# KiCad board Marble.kicad_pcb (continued)
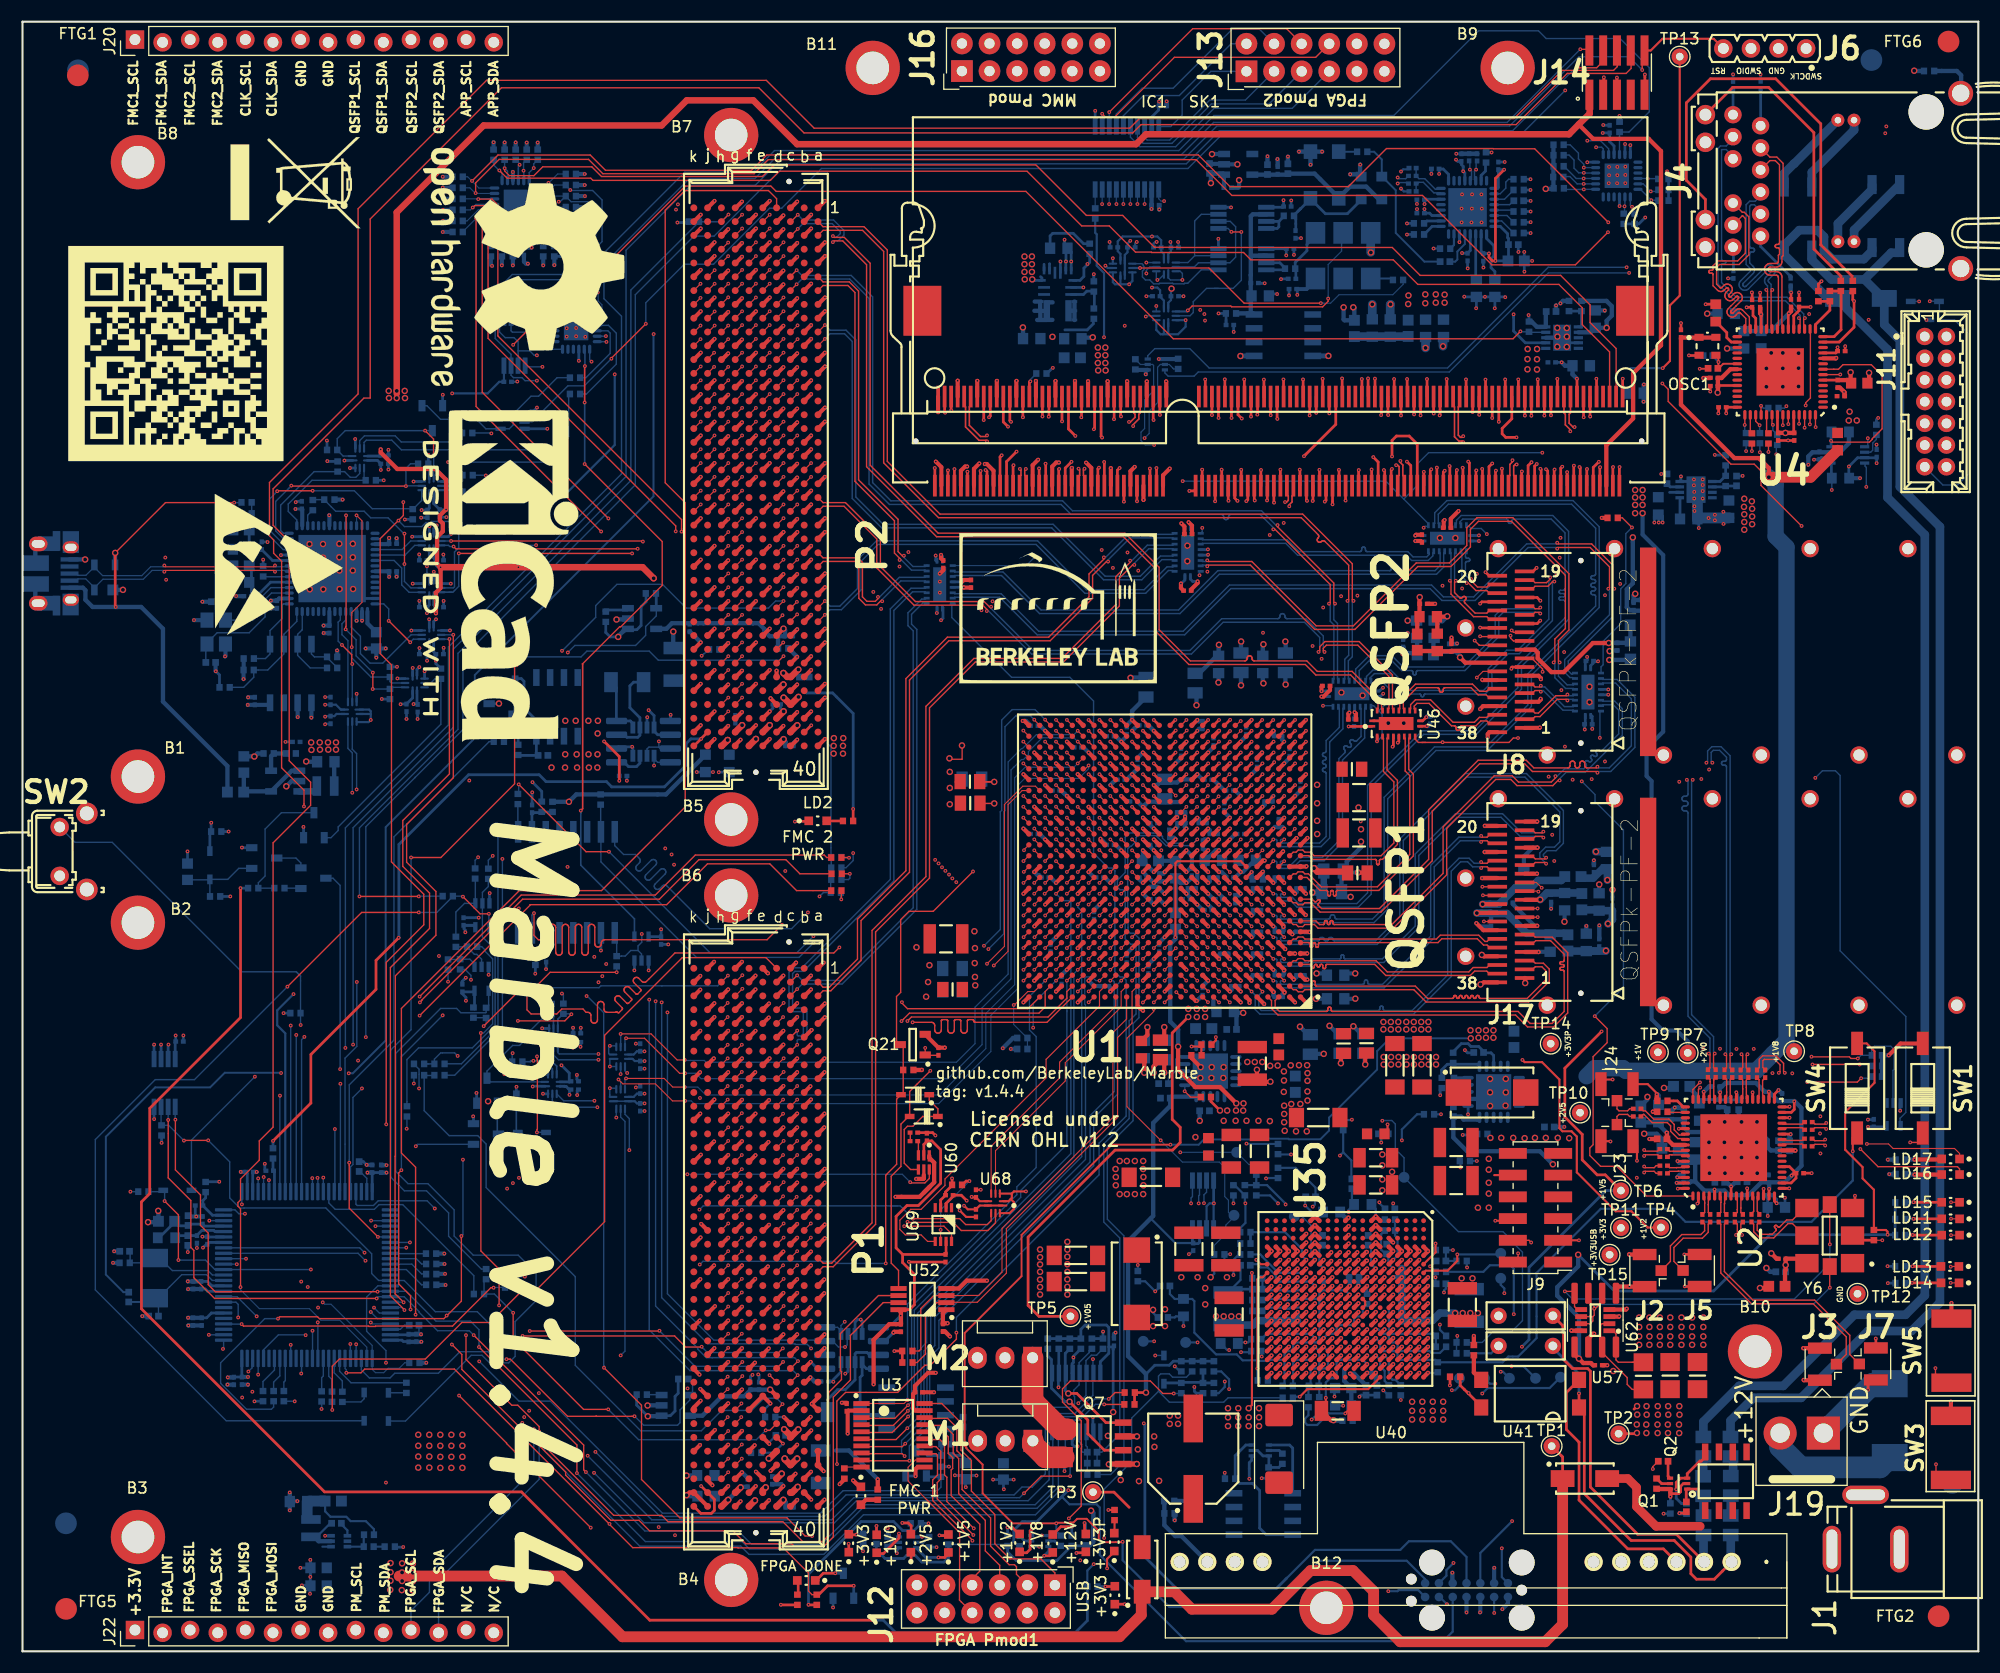
[diagram p0: board, top side]
## Routing (per net, layer and track width the routed paths; a pad name or vN(x,y) marks a point on that pad's centre or on a via; arc(x,y) is an arc through that point) (continued)
  Top w0.13: v1(119.28,91.99) 119.39,92.1 119.39,92.46 119.87,92.94 123.03,92.94 126.09,89.88 126.09,86.76 126.17,86.67 126.17,86.5 ; P2.A23 73.68,105.4 75.61,105.4 78.62,102.39 78.62,99.72 82.05,96.29 88.37,96.29 88.75,95.91 v1(88.75,95.76)
  Bottom w0.13: v1(119.28,91.99) 119.39,92.1 119.39,93.32 117.99,94.72 110.5,94.72 107.58,91.8 92.87,91.8 88.91,95.76 v1(88.75,95.76)
FMC2_DP1_C2M_P: length 68.9
  Top w0.13: v1(119.83,91.99) 119.72,92.1 119.72,92.33 120,92.61 122.89,92.61 125.75,89.75 125.75,86.76 125.67,86.67 125.67,86.5 ; v1(89.14,96.15) 88.99,96.15 88.51,96.62 82.18,96.62 78.95,99.86 78.95,102.52 75.74,105.73 73.68,105.73 P2.A22
  Bottom w0.13: v1(119.83,91.99) 119.72,92.1 119.72,93.45 118.12,95.05 116.4,95.05 116.35,95.06 116.31,95.07 116.26,95.1 116.23,95.13 116.2,95.18 116.18,95.22 116.18,95.27 116.18,95.29 116.17,95.34 116.16,95.39 116.13,95.43 116.09,95.47 116.05,95.5 116,95.51 115.95,95.52 115.9,95.51 115.86,95.5 115.81,95.47 115.78,95.43 115.75,95.39 115.73,95.34 115.73,95.29 115.73,95.27 115.72,95.22 115.71,95.18 115.68,95.13 115.64,95.1 115.6,95.07 115.55,95.06 115.5,95.05 110.37,95.05 107.45,92.13 93,92.13 89.14,95.99 v1(89.14,96.15)
FMC2_DP1_M2C_N: length 84.8
  Top w0.13: P2.A3 73.68,130.8 77.31,130.8 79.26,128.85 79.26,109.4 84.31,104.35 117.68,104.35 119.24,102.79 119.27,102.76 119.29,102.71 119.3,102.66 119.3,102.61 119.29,102.56 119.27,102.52 119.24,102.48 119.22,102.46 119.19,102.42 119.17,102.38 119.16,102.33 119.16,102.28 119.17,102.23 119.19,102.18 119.22,102.15 119.26,102.11 119.31,102.09 119.36,102.08 119.41,102.08 119.46,102.09 119.5,102.11 119.54,102.15 119.55,102.16 119.59,102.19 119.64,102.21 119.69,102.22 119.74,102.22 119.79,102.21 119.83,102.19 119.87,102.16 122.06,99.97 122.06,96.8 v1(121.95,96.69)
  Bottom w0.13: v1(121.95,96.69) 122.06,96.58 122.06,91.68 121.69,91.31 121.69,89.5 121.61,89.41 121.61,89.24
FMC2_DP1_M2C_P: length 84.8
  Top w0.13: P2.A2 73.68,131.13 77.45,131.13 79.59,128.99 79.59,109.53 84.44,104.68 117.82,104.68 122.39,100.11 122.39,96.8 v1(122.5,96.69)
  Bottom w0.13: v1(122.5,96.69) 122.39,96.58 122.39,91.54 122.03,91.18 122.03,89.5 122.11,89.41 122.11,89.24
FMC2_DP2_C2M_N: length 14.9
  Top w0.13: P2.A27 73.68,100.32 76.75,100.32 76.97,100.1 76.97,96.92 77.58,96.32 78.63,96.32 78.97,96.66 v1(79.12,96.66)
  Bottom w0.13: 83.33,98.44 83.15,98.44 83.07,98.52 80.83,98.52 79.12,96.81 v1(79.12,96.66)
FMC2_DP2_C2M_P: length 14.9
  Top w0.13: v1(78.73,97.05) 78.73,96.89 78.49,96.65 77.71,96.65 77.3,97.06 77.3,100.24 76.89,100.65 73.68,100.65 P2.A26
  Bottom w0.13: v1(78.73,97.05) 78.89,97.05 80.69,98.85 83.07,98.85 83.15,98.94 83.33,98.94
FMC2_DP2_M2C_N: length 33.2
  Top w0.13: v1(80.73,100.46) 80.73,100.61 80.25,101.09 80.25,104.06 76.62,107.69 76.62,125.07 75.96,125.72 73.68,125.72 P2.A7
  Bottom w0.13: 83.33,99.44 83.15,99.44 83.07,99.52 81.82,99.52 80.88,100.46 v1(80.73,100.46)
FMC2_DP2_M2C_P: length 33.2
  Top w0.13: P2.A6 73.68,126.05 76.1,126.05 76.95,125.2 76.95,107.83 80.58,104.2 80.58,101.23 80.96,100.85 v1(81.12,100.85)
  Bottom w0.13: 83.33,99.94 83.15,99.94 83.07,99.85 81.95,99.85 81.12,100.69 v1(81.12,100.85)
FMC2_DP3_C2M_N: length 40.2
  Top w0.112: P2.A31 v1(73.85,95.41)
  Bottom w0.13: v1(73.85,95.41) 74.32,95.88 75.36,95.88 77.17,97.69 77.17,100.33 78.73,101.88 93.29,101.88 97.78,97.39 103.37,97.39 105.47,99.48 105.87,99.48 105.96,99.4 106.13,99.4
FMC2_DP3_C2M_P: length 40.2
  Top w0.112: P2.A30 v1(73.85,96.68)
  Bottom w0.13: 106.13,99.9 105.96,99.9 105.87,99.81 105.33,99.81 103.23,97.72 97.92,97.72 93.42,102.21 78.59,102.21 76.84,100.47 76.84,97.82 75.23,96.21 74.32,96.21 v1(73.85,96.68)
FMC2_DP3_M2C_N: length 52
  Top w0.112: P2.A11 v1(73.85,120.81)
  Bottom w0.13: v1(73.85,120.81) 74.32,121.28 75.66,121.28 76.36,120.57 76.36,106.12 79.08,103.41 94.72,103.41 99.5,98.63 103.01,98.63 104.87,100.48 105.87,100.48 105.96,100.4 106.13,100.4
FMC2_DP3_M2C_P: length 52
  Top w0.112: P2.A10 v1(73.85,122.08)
  Bottom w0.13: 106.13,100.9 105.96,100.9 105.87,100.81 104.73,100.81 102.88,98.96 99.63,98.96 94.86,103.74 79.21,103.74 76.69,106.26 76.69,120.71 75.8,121.61 74.32,121.61 v1(73.85,122.08)
FMC2_HA00_CC_N: length 76.9
  Top w0.11: v1(96.12,71.73) 96.12,71.73 U1.N22
  Top w0.112: P2.F5 v1(67.5,128.43)
  In4.Cu w0.1: v1(67.5,128.43) 67.99,128.92 76.87,128.92 80.53,125.26 80.53,110.91 89.82,101.62 89.82,100.69 92.07,98.44 92.07,95.45 95.47,92.05 95.47,82.44 95.83,82.09 96.28,82.09 96.47,81.89 96.47,72.09 v1(96.12,71.73)
FMC2_HA00_CC_P: length 77.4
  Top w0.11: U1.N21 97.12,71.73 v1(97.12,71.73)
  Top w0.112: P2.F4 v1(67.5,129.7)
  In4.Cu w0.1: v1(67.5,129.7) 67.99,129.21 76.99,129.21 80.82,125.38 80.82,111.03 90.11,101.74 90.11,100.81 92.36,98.56 92.36,95.57 95.76,92.17 95.76,82.56 95.95,82.38 96.4,82.38 96.76,82.01 96.76,72.09 v1(97.12,71.73)
FMC2_HA01_CC_N: length 81.9
  Top w0.11: U1.P21 97.12,73.73 v1(97.12,73.73)
  Top w0.112: P2.E3 v1(68.77,130.97)
  In4.Cu w0.1: v1(68.77,130.97) 67.99,131.74 67.99,132.64 68.41,133.05 75.89,133.05 82.95,126 82.95,112.84 86.48,109.31 86.48,108.05 91.37,103.15 91.37,101.23 93.36,99.24 93.36,96.04 96.76,92.63 96.76,83.38 97.86,82.28 98.28,82.28 98.76,81.8 98.76,74.47 98.38,74.09 97.47,74.09 v1(97.12,73.73)
FMC2_HA01_CC_P: length 80.1
  Top w0.11: U1.R21 97.12,74.73 v1(97.12,74.73)
  Top w0.112: P2.E2 v1(68.77,132.24)
  In4.Cu w0.1: v1(68.77,132.24) 68.77,131.82 68.69,131.75 68.58,131.75 68.28,132.04 68.28,132.52 68.53,132.76 75.77,132.76 82.66,125.88 82.66,112.81 86.24,109.22 86.24,107.87 91.08,103.03 91.08,101.11 93.07,99.12 93.07,95.92 96.47,92.51 96.47,83.26 97.74,81.99 98.16,81.99 98.47,81.68 98.47,74.59 98.26,74.38 97.47,74.38 v1(97.12,74.73)
FMC2_HA02_N: length 76.5
  Top w0.11: U1.U20 98.12,76.73 v1(98.11,76.73)
  Top w0.112: v1(62.4,124.58) 61.8,123.98 P2.K8
  In7.Cu w0.1: v1(62.4,124.58) 62.91,125.09 65.03,125.09 65.57,124.54 65.57,124.26 65.93,123.91 66.2,123.91 66.26,123.86 75.84,123.86 80.55,119.15 80.55,109.45 83.59,106.4 84.11,106.4 88.8,101.71 88.8,98 90.25,96.56 90.25,83.15 91,82.39 91,79.72 91.64,79.08 91.94,79.08 91.94,79.09 92.28,79.09 92.29,79.08 92.94,79.08 92.94,79.09 96.29,79.09 96.29,79.08 97.32,79.08 97.47,78.93 97.47,78.38 97.74,78.1 98.29,78.1 98.47,77.92 98.47,77.09 v1(98.11,76.73)
FMC2_HA02_P: length 77
  Top w0.11: U1.U19 v1(99.12,76.73)
  Top w0.112: v1(62.4,125.88) 61.78,125.26 P2.K7
  In7.Cu w0.1: v1(62.4,125.88) 62.91,125.38 65.15,125.38 65.86,124.66 65.86,124.38 66.05,124.2 66.33,124.2 66.38,124.15 75.96,124.15 80.84,119.27 80.84,109.57 83.71,106.69 84.23,106.69 89.09,101.83 89.09,98.12 90.54,96.68 90.54,83.27 91.29,82.51 91.29,79.84 91.76,79.37 91.82,79.37 91.82,79.38 92.4,79.38 92.41,79.37 92.82,79.37 92.82,79.38 96.41,79.38 96.41,79.37 97.44,79.37 97.76,79.05 97.76,78.5 97.86,78.39 98.41,78.39 98.76,78.04 98.76,77.09 v1(99.12,76.73)
FMC2_HA03_N: length 82.6
  Top w0.11: U1.T19 v1(99.12,75.73)
  Top w0.112: P2.J7 63.07,125.25 v1(63.7,125.88)
  In9.Cu w0.1: v1(63.7,125.88) 64.18,126.36 66.42,126.36 66.96,126.91 66.96,127.5 67.12,127.66 84.3,127.66 88.56,123.4 88.56,116.07 87.7,115.21 87.7,110.9 90.8,107.8 90.8,97.12 98.48,89.45 98.48,78.45 98.84,78.08 99.27,78.08 99.47,77.87 99.47,76.09 v1(99.12,75.73)
FMC2_HA03_P: length 83.1
  Top w0.11: U1.T18 v1(100.12,75.73)
  Top w0.112: P2.J6 63.09,126.52 v1(63.7,127.13)
  In9.Cu w0.1: v1(63.7,127.13) 64.18,126.65 66.3,126.65 66.67,127.03 66.67,127.62 67,127.95 84.42,127.95 88.85,123.52 88.85,115.95 87.99,115.09 87.99,111.02 91.09,107.92 91.09,97.24 98.77,89.57 98.77,78.57 98.96,78.37 99.39,78.37 99.76,77.99 99.76,76.09 v1(100.12,75.73)
FMC2_HA04_N: length 73.7
  Top w0.11: U1.R17 v1(101.12,74.73)
  Top w0.112: P2.F8 v1(67.5,124.62)
  In7.Cu w0.1: v1(67.5,124.62) 67.99,125.11 76.11,125.11 83.52,117.7 83.52,110.25 83.05,109.78 83.05,108.31 83.9,107.46 84.6,107.46 90.37,101.68 90.37,99.19 93.62,95.95 93.62,89.93 97.47,86.07 97.47,80.42 98.81,79.08 101.29,79.08 101.47,78.9 101.47,75.09 v1(101.12,74.73)
FMC2_HA04_P: length 74.2
  Top w0.11: U1.R16 v1(102.12,74.73)
  Top w0.112: P2.F7 v1(67.5,125.89)
  In7.Cu w0.1: v1(102.12,74.73) 101.76,75.09 101.76,79.02 101.41,79.37 98.93,79.37 97.76,80.54 97.76,86.19 93.91,90.05 93.91,96.07 90.66,99.31 90.66,101.8 84.72,107.75 84.02,107.75 83.34,108.43 83.34,109.66 83.81,110.13 83.81,117.82 76.23,125.4 67.99,125.4 v1(67.5,125.89)
FMC2_HA05_N: length 79.1
  Top w0.11: U1.N17 v1(102.12,72.73)
  Top w0.112: P2.E7 v1(68.77,125.89)
  In9.Cu w0.1: v1(68.77,125.89) 69.26,126.38 82.25,126.38 85.34,123.28 85.34,116.08 86.8,114.63 86.8,110.28 87.41,109.67 87.41,108.06 89.68,105.8 89.68,96.88 97.47,89.08 97.47,77.44 97.82,77.09 98.27,77.09 98.47,76.89 98.47,73.93 98.47,73.92 98.47,73.46 98.85,73.09 101.76,73.09 v1(102.12,72.73)
FMC2_HA05_P: length 79.1
  Top w0.11: U1.P16 v1(102.12,73.73)
  Top w0.112: P2.E6 v1(68.77,127.16)
  In9.Cu w0.1: v1(68.77,127.16) 69.26,126.67 82.37,126.67 85.63,123.4 85.63,116.2 87.09,114.75 87.09,110.31 87.7,109.7 87.7,108.18 89.97,105.92 89.97,97 97.76,89.2 97.76,77.56 97.94,77.38 98.39,77.38 98.76,77.01 98.76,73.59 98.97,73.38 101.76,73.38 v1(102.12,73.73)
FMC2_HA06_N: length 79.1
  Top w0.11: U1.P18 v1(100.12,73.73)
  Top w0.112: v1(62.4,120.78) 61.79,120.17 P2.K11
  In7.Cu w0.1: v1(100.12,73.73) 99.76,74.09 99.3,74.09 99.28,74.11 98.94,74.11 98.91,74.09 92.35,74.09 92.34,74.09 92,74.09 92,74.09 87.42,74.09 82.82,78.69 82.82,88.84 81.95,89.71 81.95,101.3 81.54,101.71 80.62,101.71 75.26,107.07 75.26,116.39 74.17,117.48 66.06,117.48 65.48,118.07 65.48,120.95 65.16,121.26 62.88,121.26 v1(62.4,120.78)
FMC2_HA06_P: length 79.1
  Top w0.11: U1.R18 v1(100.12,74.73)
  Top w0.112: v1(62.4,122.03) 61.81,121.44 P2.K10
  In7.Cu w0.1: v1(100.12,74.73) 99.76,74.38 99.42,74.38 99.4,74.4 98.43,74.4 98.41,74.38 92.47,74.38 92.46,74.38 91.88,74.38 91.88,74.38 87.54,74.38 83.11,78.81 83.11,88.96 82.24,89.83 82.24,101.42 81.66,102 80.74,102 75.55,107.19 75.55,116.51 74.29,117.77 66.18,117.77 65.77,118.19 65.77,121.07 65.28,121.55 62.88,121.55 v1(62.4,122.03)
FMC2_HA07_N: length 70.3
  Top w0.11: U1.T25 v1(93.12,75.73)
  Top w0.112: P2.J10 63.11,121.44 v1(63.7,122.03)
  In7.Cu w0.1: v1(63.7,122.03) 64.2,122.54 66.47,122.54 66.78,122.22 66.78,120.52 67.23,120.07 74.61,120.07 77.47,117.21 77.47,107.95 81.92,103.5 82.62,103.5 85.03,101.1 85.03,95.08 85.03,95.08 85.03,94.74 85.03,94.74 85.03,83.55 86.02,82.56 86.02,79.96 87.44,78.54 87.44,77.42 88.77,76.09 93.32,76.09 93.47,75.93 93.47,75.82 93.39,75.73 v1(93.12,75.73)
FMC2_HA07_P: length 70.8
  Top w0.11: U1.T24 v1(94.12,75.73)
  Top w0.112: v1(63.7,123.33) 63.08,122.71 P2.J9
  In7.Cu w0.1: v1(63.7,123.33) 64.2,122.83 66.59,122.83 67.07,122.34 67.07,120.64 67.35,120.36 74.73,120.36 77.76,117.33 77.76,108.07 82.04,103.79 82.74,103.79 85.32,101.22 85.32,95.2 85.32,95.2 85.32,94.62 85.32,94.62 85.32,83.67 86.31,82.68 86.31,80.08 87.73,78.66 87.73,77.54 88.89,76.38 93.44,76.38 93.76,76.05 93.76,75.8 93.83,75.73 v1(94.12,75.73)
FMC2_HA08_N: length 67.6
  Top w0.11: U1.T23 v1(95.12,75.73)
  Top w0.112: P2.F11 v1(67.5,120.81)
  In7.Cu w0.1: v1(95.12,75.73) 95.47,76.09 95.47,76.9 95.28,77.1 89.13,77.1 88.45,77.77 88.45,79.19 87.4,80.25 87.4,92.58 85.74,94.25 85.74,101.88 83.24,104.37 82.56,104.37 78.45,108.48 78.45,117.94 75.09,121.3 67.99,121.3 v1(67.5,120.81)
FMC2_HA08_P: length 68
  Top w0.11: U1.T22 v1(96.12,75.73)
  Top w0.112: P2.F10 v1(67.5,122.08)
  In7.Cu w0.1: v1(96.12,75.73) 95.76,76.09 95.76,77.02 95.4,77.39 89.25,77.39 88.74,77.89 88.74,79.31 87.69,80.37 87.69,92.7 86.03,94.37 86.03,102 83.36,104.66 82.68,104.66 78.74,108.61 78.74,118.06 75.21,121.59 67.99,121.59 v1(67.5,122.08)
FMC2_HA09_N: length 71.7
  Top w0.11: U1.T17 v1(101.12,75.73)
  Top w0.112: P2.E10 v1(68.77,122.08)
  In7.Cu w0.1: v1(101.12,75.73) 100.76,76.09 96.98,76.09 96.47,76.59 96.47,77.88 96.26,78.09 90.96,78.09 90.11,78.93 90.11,80.25 88.39,81.97 88.39,93.48 87.34,94.54 87.34,101.72 83.75,105.31 83.02,105.31 79.48,108.85 79.48,118.58 75.49,122.57 69.26,122.57 v1(68.77,122.08)
FMC2_HA09_P: length 71.7
  Top w0.11: U1.U17 v1(101.12,76.73)
  Top w0.112: P2.E9 v1(68.77,123.35)
  In7.Cu w0.1: v1(101.12,76.73) 100.76,76.38 97.1,76.38 96.76,76.71 96.76,78 96.38,78.38 91.08,78.38 90.4,79.05 90.4,80.37 88.68,82.09 88.68,93.6 87.63,94.66 87.63,101.84 83.87,105.6 83.14,105.6 79.77,108.97 79.77,118.7 75.61,122.86 69.26,122.86 v1(68.77,123.35)
FMC2_HA10_N: length 74
  Top w0.11: v1(92.15,68.73) 92.15,68.76 U1.K26
  Top w0.112: P2.K14 v1(62.42,117)
  In7.Cu w0.1: v1(62.42,117) 62.42,117.44 62.47,117.49 62.9,117.49 62.92,117.47 62.92,101.46 63.4,100.98 73.41,100.98 76.41,97.97 76.41,87.46 78.22,85.66 78.22,76.93 80.57,74.58 80.57,73.52 85.01,69.08 92.31,69.08 92.49,68.89 92.49,68.78 92.44,68.73 v1(92.15,68.73)
FMC2_HA10_P: length 74.5
  Top w0.11: v1(93.14,68.73) 93.14,68.75 U1.K25
  Top w0.112: P2.K13 v1(62.42,118.27)
  In7.Cu w0.1: v1(93.14,68.73) 92.86,68.73 92.79,68.8 92.79,69.01 92.43,69.37 85.13,69.37 80.86,73.64 80.86,74.7 78.51,77.05 78.51,85.78 76.7,87.58 76.7,98.09 73.53,101.27 63.52,101.27 63.21,101.58 63.21,117.59 63.02,117.78 62.45,117.78 62.42,117.81 v1(62.42,118.27)
FMC2_HA11_N: length 76.4
  Top w0.11: U1.M19 v1(99.12,70.73)
  Top w0.112: v1(63.65,118.23) 63.05,117.63 P2.J13
  In9.Cu w0.1: v1(63.65,118.23) 64.16,118.74 76.98,118.74 80.63,115.08 80.63,110.23 81.48,109.38 81.48,103.36 82.91,101.94 82.91,87.31 86.25,83.97 86.94,83.97 87.67,83.24 87.67,82.5 89.21,80.96 89.73,80.96 91.58,79.11 93.32,79.11 93.48,78.95 93.48,77.45 93.83,77.1 94.23,77.1 94.24,77.09 96.59,77.09 97.47,76.21 97.47,73.18 98.36,72.28 99.27,72.28 99.48,72.08 99.48,71.09 v1(99.12,70.73)
FMC2_HA11_P: length 76.5
  Top w0.11: U1.N18 v1(100.12,71.73)
  Top w0.112: v1(63.65,119.53) 63.05,118.93 P2.J12
  In9.Cu w0.1: v1(63.65,119.53) 64.16,119.03 77.1,119.03 80.92,115.2 80.92,110.35 81.77,109.5 81.77,103.48 83.2,102.06 83.2,87.43 86.37,84.26 87.06,84.26 87.96,83.36 87.96,82.62 89.33,81.25 89.85,81.25 91.7,79.4 93.44,79.4 93.77,79.07 93.77,77.57 93.95,77.39 94.35,77.39 94.36,77.38 96.71,77.38 97.76,76.33 97.76,73.3 98.48,72.57 99.39,72.57 99.77,72.2 99.77,71.5 99.8,71.47 99.86,71.47 v1(100.12,71.73)
FMC2_HA12_N: length 71
  Top w0.11: 94.58,70.21 94.08,69.72
  Top w0.112: P2.F14 v1(67.5,117)
  In9.Cu w0.1: v1(67.5,117) 67.99,117.49 76.09,117.49 79.45,114.13 79.45,100.07 81.54,97.98 81.54,86.99 88.07,80.45 88.07,79.87 89.17,78.77 90,78.77 90.68,78.09 92.27,78.09 92.48,77.88 92.48,76.44 92.83,76.09 95.32,76.09 95.47,75.93 95.47,71.81 95.06,71.39 93.89,71.39 93.47,70.97 93.47,70.26 93.68,70.05 94.02,70.05 94.08,69.99 94.08,69.72
  vias: v1(94.07,69.73)
FMC2_HA12_P: length 71.1
  Top w0.11: 94.58,71.21 94.58,71.17 94.12,70.71
  Top w0.112: P2.F13 v1(67.5,118.27)
  In9.Cu w0.1: 94.12,70.71 94.12,70.41 94.05,70.34 93.86,70.34 93.76,70.44 93.76,70.85 94.01,71.1 95.18,71.1 95.76,71.69 95.76,76.05 95.44,76.38 92.95,76.38 92.77,76.56 92.77,78 92.39,78.38 90.8,78.38 90.12,79.06 89.29,79.06 88.36,79.99 88.36,80.57 81.83,87.11 81.83,98.1 79.74,100.19 79.74,114.25 76.21,117.78 67.99,117.78 v1(67.5,118.27)
  vias: v1(94.12,70.73)
FMC2_HA13_N: length 67.7
  Top w0.11: U1.R20 98.12,74.73 v1(98.11,74.73)
  Top w0.112: P2.E13 v1(68.77,118.27)
  In7.Cu w0.1: v1(98.11,74.73) 97.76,75.09 88.33,75.09 86.25,77.17 86.25,77.9 85.63,78.52 84.83,78.52 83.96,79.4 83.96,93.59 82.85,94.69 82.85,101.79 81.97,102.68 81.27,102.68 76.34,107.62 76.34,116.91 74.49,118.76 69.26,118.76 v1(68.77,118.27)
FMC2_HA13_P: length 67.7
  Top w0.11: v1(98.11,75.73) 98.12,75.73 U1.T20
  Top w0.112: P2.E12 v1(68.77,119.54)
  In7.Cu w0.1: v1(68.77,119.54) 69.26,119.05 74.61,119.05 76.63,117.03 76.63,107.74 81.39,102.97 82.09,102.97 83.14,101.91 83.14,94.81 84.25,93.71 84.25,79.52 84.95,78.81 85.75,78.81 86.54,78.02 86.54,77.29 88.45,75.38 97.76,75.38 v1(98.11,75.73)
FMC2_HA14_N: length 74.9
  Top w0.11: 98.61,73.26 98.59,73.26 v1(98.12,73.73)
  Top w0.112: P2.J16 v1(63.69,114.46)
  In2.Cu w0.1: v1(98.12,73.73) 98.41,73.73 98.48,73.8 98.48,73.89 98.29,74.08 92.35,74.08 92.34,74.09 92,74.09 92,74.08 83.12,74.08 78.33,78.88 78.33,86.24 76.4,88.17 76.4,106.75 74.52,108.63 63.5,108.63 62.94,109.19 62.94,112.32 63.34,112.72 63.77,112.72 64.26,113.21 64.26,114.82 64.14,114.95 63.78,114.95 63.69,114.86 v1(63.69,114.46)
FMC2_HA14_P: length 75.4
  Top w0.11: 99.61,73.26 99.6,73.26 v1(99.11,73.76)
  Top w0.112: P2.J15 v1(63.69,115.73)
  In2.Cu w0.1: v1(99.11,73.76) 98.84,73.76 98.77,73.82 98.77,74.01 98.41,74.37 92.47,74.37 92.46,74.38 91.88,74.38 91.88,74.37 83.24,74.37 78.62,79 78.62,86.36 76.69,88.29 76.69,106.87 74.64,108.92 63.62,108.92 63.23,109.31 63.23,112.2 63.46,112.43 63.89,112.43 64.55,113.09 64.55,114.94 64.26,115.24 63.77,115.24 63.69,115.32 v1(63.69,115.73)
FMC2_HA15_N: length 58.5
  Top w0.11: U1.P25 v1(93.12,73.73)
  Top w0.112: P2.F17 v1(67.5,113.19)
  In9.Cu w0.1: v1(93.12,73.73) 92.76,74.09 92.01,74.09 92.01,74.09 89.91,74.09 85.37,78.63 84.9,78.63 77.13,86.39 77.13,111.26 74.72,113.68 67.99,113.68 v1(67.5,113.19)
FMC2_HA15_P: length 58.5
  Top w0.11: U1.R25 v1(93.12,74.73)
  Top w0.112: P2.F16 v1(67.5,114.46)
  In9.Cu w0.1: v1(67.5,114.46) 67.99,113.97 74.84,113.97 77.42,111.38 77.42,86.51 85.02,78.92 85.49,78.92 90.03,74.38 92.76,74.38 v1(93.12,74.73)
FMC2_HA16_N: length 59.1
  Top w0.11: v1(92.13,72.74) 92.13,72.74 U1.P26
  Top w0.112: P2.E16 v1(68.77,114.46)
  In7.Cu w0.1: v1(92.13,72.74) 91.8,73.07 88.51,73.07 88.49,73.09 88.15,73.09 88.14,73.07 86.98,73.07 81.72,78.33 81.72,87.94 81.07,88.6 81.07,97.74 79.4,99.4 79.4,101.18 74.29,106.29 74.29,112.08 73.92,112.45 70.9,112.45 70.57,112.78 70.57,114.6 70.22,114.95 69.26,114.95 v1(68.77,114.46)
FMC2_HA16_P: length 59.2
  Top w0.11: v1(92.17,73.74) 92.17,73.78 U1.R26
  Top w0.112: P2.E15 v1(68.77,115.73)
  In7.Cu w0.1: v1(92.17,73.74) 91.8,73.36 88.63,73.36 88.61,73.38 88.03,73.38 88.02,73.36 87.1,73.36 82.01,78.45 82.01,88.06 81.36,88.72 81.36,97.86 79.69,99.52 79.69,101.31 74.58,106.41 74.58,112.2 74.04,112.74 71.02,112.74 70.86,112.9 70.86,114.72 70.34,115.24 69.26,115.24 v1(68.77,115.73)
FMC2_HA17_CC_N: length 63.5
  Top w0.11: U1.R23 v1(95.12,74.73)
  Top w0.112: P2.K17 v1(62.42,113.19)
  In4.Cu w0.1: v1(62.42,113.19) 62.91,113.68 75.07,113.68 81.08,107.67 81.08,104.9 84.95,101.03 84.95,96.99 92.47,89.48 92.47,85.93 92.47,85.92 92.47,85.58 92.47,85.58 92.47,81.42 92.8,81.08 95.29,81.08 95.47,80.9 95.47,75.09 v1(95.12,74.73)
FMC2_HA17_CC_P: length 63.9
  Top w0.11: U1.R22 v1(96.12,74.73)
  Top w0.112: P2.K16 v1(62.42,114.46)
  In4.Cu w0.1: v1(96.12,74.73) 95.76,75.09 95.76,81.02 95.41,81.37 92.92,81.37 92.76,81.54 92.76,85.46 92.76,85.46 92.76,86.04 92.76,86.05 92.76,89.6 85.24,97.11 85.24,101.15 81.37,105.02 81.37,107.79 75.19,113.97 62.91,113.97 v1(62.42,114.46)
FMC2_HA18_N: length 68.3
  Top w0.11: 96.62,71.24 v1(96.12,70.74)
  Top w0.112: P2.J19 v1(63.69,110.65)
  In4.Cu w0.1: v1(96.12,70.74) 96.37,70.74 96.48,70.85 96.48,70.91 96.29,71.09 91.77,71.09 91.36,71.5 91.36,75.46 89.67,77.15 82.84,77.15 82.36,77.64 82.36,90.8 76.83,96.32 76.83,107.07 74.02,109.87 65.86,109.87 65.47,110.26 65.47,110.74 65.08,111.14 64.18,111.14 v1(63.69,110.65)
FMC2_HA18_P: length 68.8
  Top w0.11: 97.62,71.24 v1(97.12,70.74)
  Top w0.112: P2.J18 v1(63.69,111.92)
  In4.Cu w0.1: v1(97.12,70.74) 96.84,70.74 96.77,70.81 96.77,71.02 96.41,71.38 91.89,71.38 91.65,71.62 91.65,75.58 89.79,77.44 82.96,77.44 82.65,77.76 82.65,90.92 77.12,96.44 77.12,107.19 74.14,110.16 65.98,110.16 65.76,110.38 65.76,110.86 65.2,111.43 64.18,111.43 v1(63.69,111.92)
FMC2_HA19_N: length 65.3
  Top w0.11: U1.M20 v1(98.12,70.73)
  Top w0.112: P2.F20 v1(67.5,109.38)
  In7.Cu w0.1: v1(98.12,70.73) 98.29,70.91 98.29,71.09 98.29,71.09 86.69,71.09 84.34,73.44 83.9,73.44 82.51,74.83 82.51,75.87 80.47,77.91 80.47,87.04 79.53,87.98 79.53,95.84 79.95,96.26 79.95,97.05 78.29,98.71 78.29,100.59 75.28,103.6 73.55,103.6 73.07,104.08 73.07,109.67 72.88,109.87 67.99,109.87 v1(67.5,109.38)
FMC2_HA19_P: length 65.9
  Top w0.11: U1.N19 v1(99.12,71.73)
  Top w0.112: P2.F19 v1(67.5,110.65)
  In7.Cu w0.1: v1(99.12,71.73) 98.77,71.38 86.81,71.38 84.46,73.73 84.02,73.73 82.8,74.95 82.8,75.99 80.76,78.03 80.76,87.16 79.82,88.1 79.82,95.72 80.24,96.14 80.24,97.18 78.58,98.83 78.58,100.71 75.4,103.89 73.67,103.89 73.36,104.2 73.36,109.79 73,110.16 67.99,110.16 v1(67.5,110.65)
FMC2_HA20_N: length 58.2
  Top w0.11: U1.N23 v1(95.12,72.73)
  Top w0.112: P2.E19 v1(68.77,110.65)
  In9.Cu w0.1: v1(68.77,110.65) 69.26,111.14 74.97,111.14 75.88,110.23 75.88,86.16 88.96,73.09 91.95,73.09 91.96,73.09 92.3,73.09 92.3,73.09 94.76,73.09 v1(95.12,72.73)
FMC2_HA20_P: length 58.2
  Top w0.11: U1.P23 v1(95.12,73.73)
  Top w0.112: P2.E18 v1(68.77,111.92)
  In9.Cu w0.1: v1(95.12,73.73) 94.76,73.38 92.42,73.38 92.42,73.38 91.84,73.38 91.83,73.38 89.08,73.38 76.17,86.28 76.17,110.35 75.09,111.43 69.26,111.43 v1(68.77,111.92)
FMC2_HA21_N: length 63.2
  Top w0.11: 94.62,72.25 94.13,71.75
  Top w0.112: P2.K20 v1(62.42,109.38)
  In9.Cu w0.1: v1(94.12,71.75) 93.77,72.1 88.27,72.1 74.63,85.74 74.63,94.97 74.67,95.01 74.67,97.07 74.63,97.11 74.63,109.44 74.21,109.87 62.91,109.87 v1(62.42,109.38)
FMC2_HA21_P: length 63.2
  Top w0.11: v1(94.12,72.73) 94.62,73.23 94.62,73.25
  Top w0.112: P2.K19 v1(62.42,110.65)
  In9.Cu w0.1: v1(62.42,110.65) 62.91,110.16 74.33,110.16 74.92,109.56 74.92,97.23 74.96,97.19 74.96,94.89 74.92,94.85 74.92,85.86 88.39,72.39 93.77,72.39 v1(94.12,72.73)
FMC2_HA22_N: length 59.5
  Top w0.11: 92.61,71.21 v1(92.13,70.73) ; U1.M26 92.62,71.22
  Top w0.112: P2.J22 v1(63.69,106.84)
  In9.Cu w0.1: v1(63.69,106.84) 64.18,107.33 71.47,107.33 71.81,106.98 71.81,90.68 71.9,90.59 71.9,87.62 71.81,87.53 71.81,82.99 73.85,80.95 76.78,80.95 86.65,71.08 91.78,71.08 v1(92.13,70.73)
FMC2_HA22_P: length 59.5
  Top w0.11: 92.62,72.21 v1(92.15,71.75) ; U1.N26 92.61,72.23
  Top w0.112: P2.J21 v1(63.69,108.11)
  In9.Cu w0.1: v1(92.15,71.75) 91.78,71.37 86.77,71.37 76.9,81.24 73.97,81.24 72.1,83.11 72.1,87.41 72.19,87.5 72.19,90.71 72.1,90.8 72.1,107.1 71.59,107.62 64.18,107.62 v1(63.69,108.11)
FMC2_HA23_N: length 61.7
  Top w0.11: U1.L25 93.12,69.73 v1(93.12,69.73)
  Top w0.112: P2.K23 v1(62.42,105.57)
  In9.Cu w0.1: v1(93.12,69.73) 92.76,70.09 85.23,70.09 76.03,79.29 73.01,79.29 70.57,81.73 70.57,105.9 70.42,106.06 62.91,106.06 v1(62.42,105.57)
FMC2_HA23_P: length 61.7
  Top w0.11: U1.M25 93.12,70.73 v1(93.12,70.73)
  Top w0.112: P2.K22 v1(62.42,106.84)
  In9.Cu w0.1: v1(62.42,106.84) 62.91,106.35 70.54,106.35 70.82,106.07 70.82,81.89 73.13,79.58 76.15,79.58 85.35,70.38 92.76,70.38 v1(93.12,70.73)
FMC2_LA_0_N: length 74
  Top w0.11: U1.AA22 v1(96.12,80.73)
  Top w0.112: P2.G7 v1(66.23,125.89)
  In2.Cu w0.1: v1(96.12,80.73) 96.47,80.38 97.29,80.38 97.47,80.56 97.47,87.26 92.07,92.67 92.07,102.25 92.78,102.96 92.78,110.27 93.21,110.7 93.21,113.71 92.05,114.87 92.05,119.11 84.78,126.38 66.72,126.38 v1(66.23,125.89)
FMC2_LA_0_P: length 74.9
  Top w0.11: U1.Y22 v1(96.12,79.73)
  Top w0.112: P2.G6 v1(66.23,127.16)
  In2.Cu w0.1: v1(66.23,127.16) 66.72,126.67 84.9,126.67 92.34,119.23 92.34,114.99 93.5,113.83 93.5,110.58 93.07,110.15 93.07,102.84 92.36,102.13 92.36,92.79 97.76,87.38 97.76,80.44 97.41,80.09 96.47,80.09 v1(96.12,79.73)
FMC2_LA_1_N: length 67.1
  Top w0.11: U1.AB24 v1(94.12,81.73)
  Top w0.112: P2.D9 v1(70.04,123.35)
  In2.Cu w0.1: v1(70.04,123.35) 70.53,123.84 84.97,123.84 90.46,118.35 90.46,114.89 91.37,113.98 91.37,112.27 90.47,111.37 90.47,108.53 90.87,108.12 90.87,92.43 96.47,86.82 96.47,81.55 96.29,81.37 94.48,81.37 v1(94.12,81.73)
FMC2_LA_1_P: length 67.6
  Top w0.11: U1.AA23 v1(95.12,80.73)
  Top w0.112: P2.D8 v1(70.04,124.62)
  In2.Cu w0.1: v1(95.12,80.73) 94.91,80.94 94.91,81.05 94.94,81.08 96.41,81.08 96.76,81.43 96.76,86.94 91.16,92.55 91.16,108.24 90.76,108.65 90.76,111.25 91.66,112.15 91.66,114.1 90.75,115.01 90.75,118.47 85.09,124.13 70.53,124.13 v1(70.04,124.62)
FMC2_LA_2_N: length 66.7
  Top w0.11: U1.AF22 v1(96.12,85.73)
  Top w0.112: v1(64.95,124.63) 64.32,124 P2.H8
  In2.Cu w0.1: v1(96.12,85.73) 96.12,85.42 96.07,85.38 95.95,85.38 95.76,85.56 95.76,86.58 90.07,92.28 90.07,95.44 90.26,95.63 90.26,96.66 90.07,96.85 90.07,108.12 89.6,108.58 89.6,116.03 88.97,116.66 88.97,117.63 83.71,122.88 69.78,122.88 69.52,123.14 69.52,123.77 69.22,124.07 64.58,124.07 64.43,124.23 64.43,124.86 64.68,125.11 64.72,125.11 64.95,124.88 v1(64.95,124.63)
FMC2_LA_2_P: length 67.4
  Top w0.11: U1.AE22 v1(96.12,84.73)
  Top w0.112: P2.H7 v1(64.96,125.89)
  In2.Cu w0.1: v1(64.96,125.89) 64.14,125.07 64.14,124.11 64.46,123.78 69.1,123.78 69.23,123.65 69.23,123.02 69.66,122.59 83.59,122.59 88.68,117.51 88.68,116.54 89.31,115.91 89.31,108.46 89.78,108 89.78,96.73 89.97,96.54 89.97,95.75 89.78,95.56 89.78,92.16 95.47,86.46 95.47,85.38 v1(96.12,84.73)
FMC2_LA_3_N: length 60
  Top w0.11: 92.61,84.25 v1(92.11,84.75)
  Top w0.112: P2.G10 v1(66.23,122.08)
  In2.Cu w0.1: v1(66.23,122.08) 66.72,122.57 67.67,122.57 67.95,122.29 67.95,121.64 68.23,121.35 70.2,121.35 70.51,121.04 70.51,120.45 70.99,119.97 81.03,119.97 86.19,114.81 86.19,106.42 87.14,105.47 87.14,97.5 86.71,97.07 86.71,92.04 92.45,86.3 92.45,85.4 92.71,85.13 92.71,84.55 92.56,84.39 92.2,84.39 92.11,84.48 v1(92.11,84.75)
